# EAGLE board working (EAGLE 9.6.2), part 13 of 28 (continued)
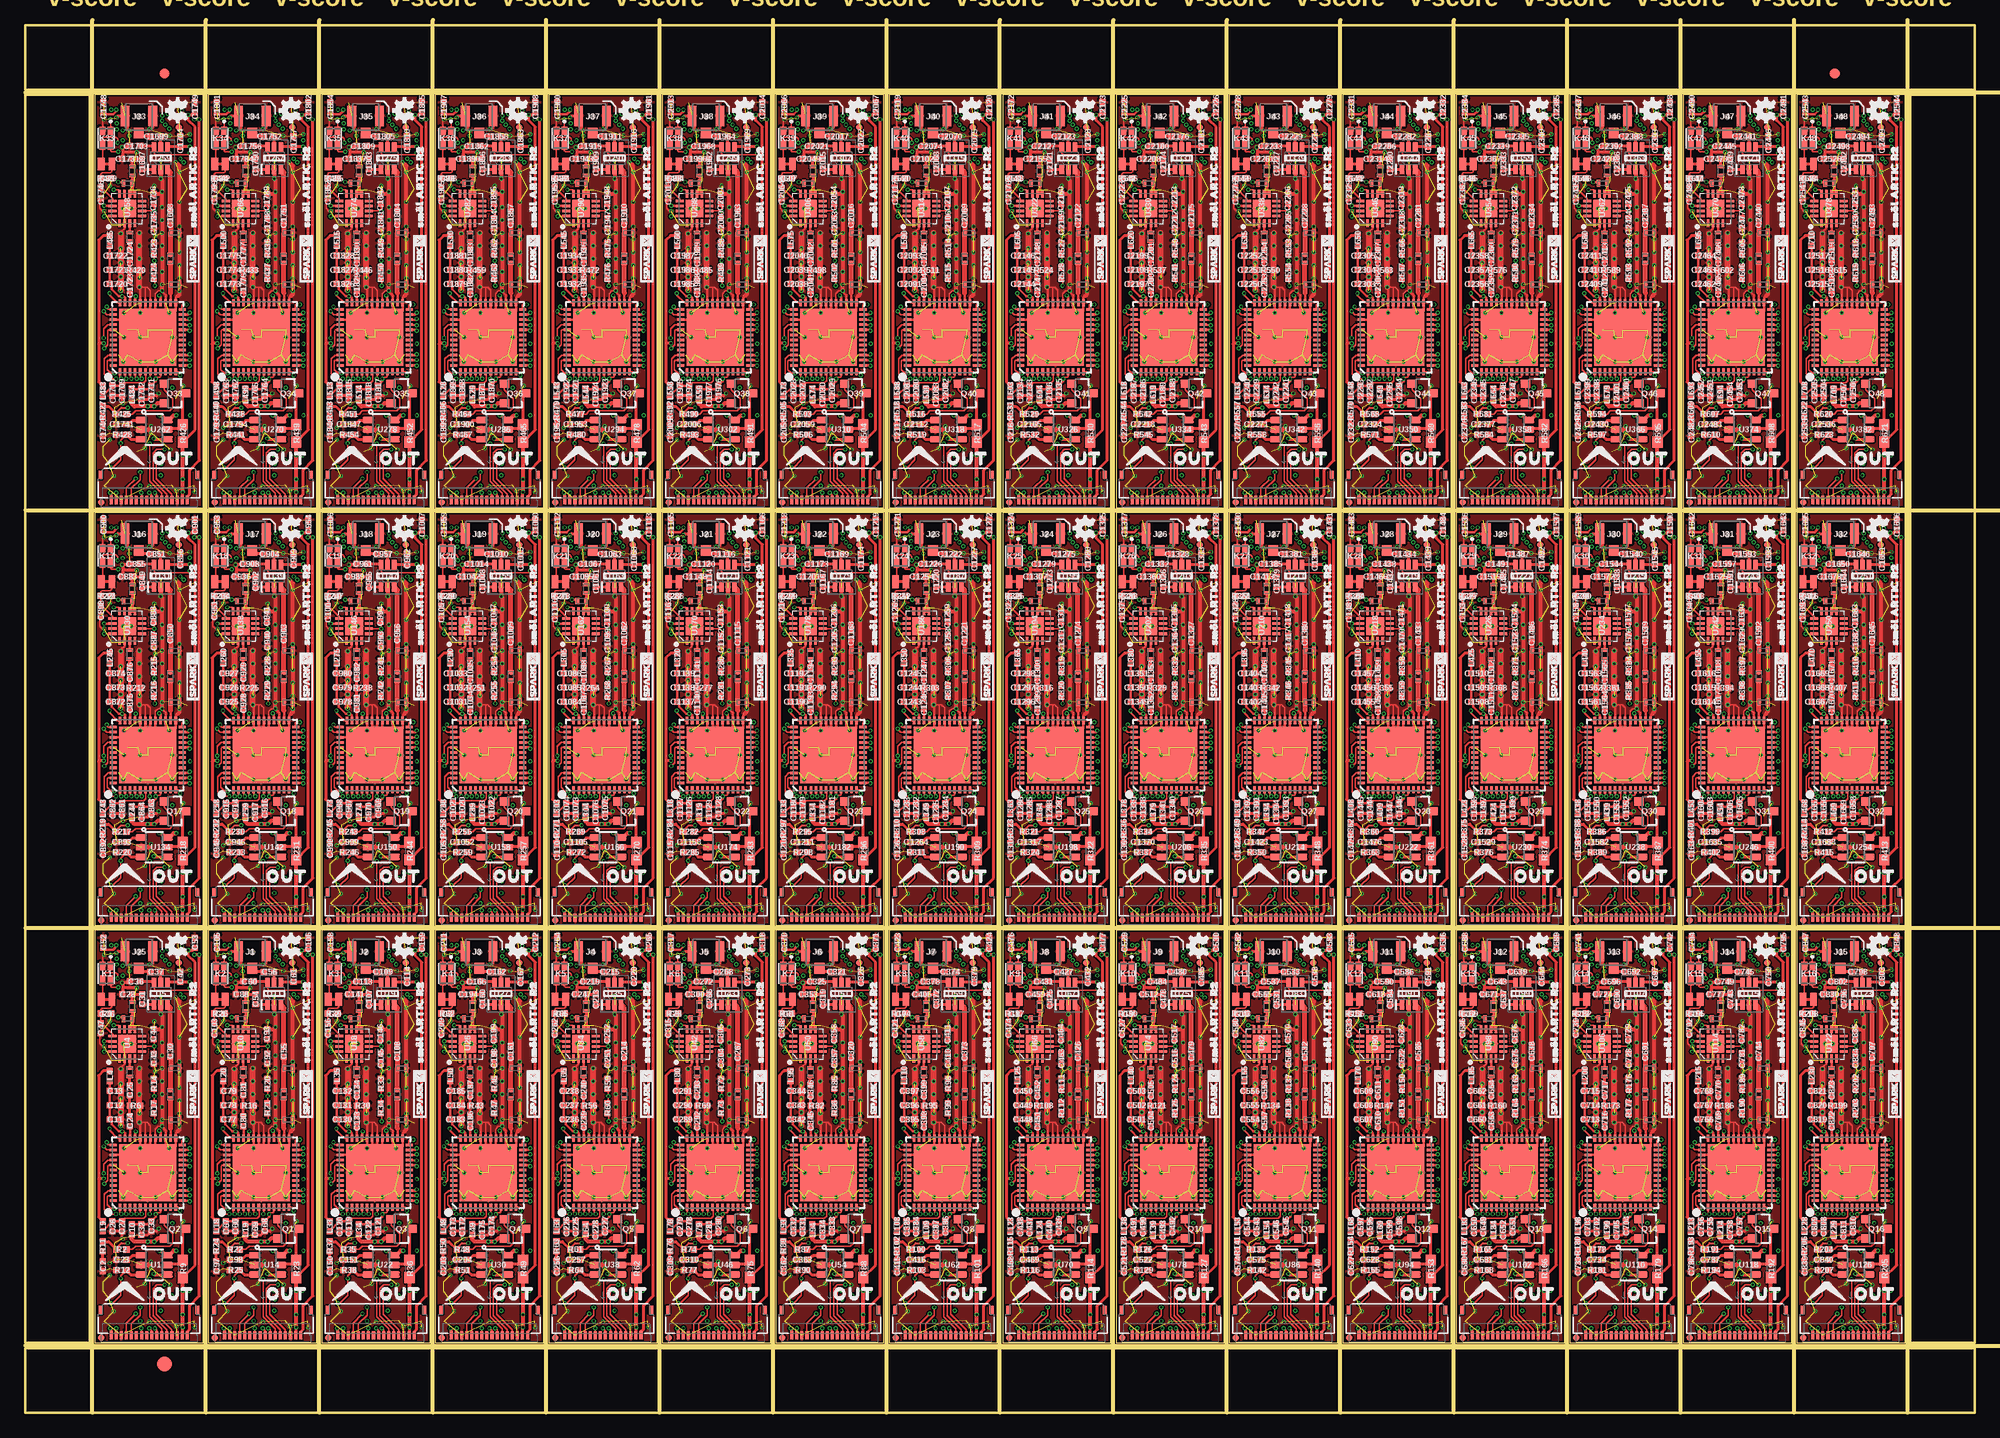
[diagram p0: board, top side]
## Tracks (layer width: path | path; a pad name or v marks a point on that pad's centre or on a via) (continued)
CS85  (via drill 0.2)
  Top 0.152: OUT28.7 147.05,49.29 v146.88,49.47
  Route15 0.152: v147.9,85.72 148.47,85.72 149.86,84.33 149.86,82.84 150.44,82.25 150.44,67.89 149.8,67.25 149.8,65.33 150.11,65.01 150.76,65.01 151,64.77 151,52.83 147.64,49.47 v146.88,49.47
  Bottom 0.152: IN28.8 146.55,86.58 147.41,85.72 147.74,85.72 v147.9,85.72
CS86  (via drill 0.2)
  Top 0.152: OUT28.8 146.55,49.22 v146.3,49.47
  Route15 0.152: v148.28,85.33 149.58,84.02 149.58,82.72 150.16,82.14 150.16,68.76 149.42,68.01 149.42,65.28 149.96,64.73 150.57,64.73 150.72,64.58 150.72,52.95 147.63,49.86 146.69,49.86 v146.3,49.47
  Bottom 0.152: IN28.9 146.05,86.68 147.41,85.33 v148.28,85.33
CS87  (via drill 0.2)
  Top 0.152: U233.2 155.1,60.83 v155.23,60.71
  Route15 0.127: 155.88,83.16 155.88,82.83 156.39,82.33 156.39,77.47 156,77.09 154.88,77.09 154.56,76.77 154.56,75.9 153.99,75.33 153.99,70.51 154.41,70.08 154.58,70.08 155.38,69.27 155.38,61.47 155.23,61.32 v155.23,60.71 | 155.88,83.16 156.39,83.66 156.39,85.81 158.19,87.62 159.83,87.62 160.16,87.28 160.16,86.96 159.31,86.11 v158.75,86.11 | v154.87,84.17 154.87,84.17 155.88,83.16
  Bottom 0.152: IN29.7 158.23,86.58 158.7,86.11 v158.75,86.11 | v154.87,84.17 154.82,84.17 154.66,84.34 153.55,84.34 CS29.1
CS88  (via drill 0.2)
  Top 0.152: OUT29.7 158.23,49.29 v158.05,49.47
  Route15 0.152: v159.07,85.72 159.65,85.72 161.04,84.33 161.04,82.84 161.62,82.25 161.62,67.89 160.97,67.25 160.97,65.33 161.28,65.01 161.94,65.01 162.18,64.77 162.18,52.83 158.81,49.47 v158.05,49.47
  Bottom 0.152: IN29.8 157.73,86.58 158.59,85.72 158.91,85.72 v159.07,85.72
CS89  (via drill 0.2)
  Top 0.152: OUT29.8 157.73,49.22 v157.48,49.47
  Route15 0.152: v159.45,85.33 160.76,84.02 160.76,82.72 161.34,82.14 161.34,68.76 160.59,68.01 160.59,65.28 161.14,64.73 161.75,64.73 161.9,64.58 161.9,52.95 158.81,49.86 157.87,49.86 v157.48,49.47
  Bottom 0.152: IN29.9 157.23,86.68 158.59,85.33 v159.45,85.33
CS90  (via drill 0.2)
  Top 0.152: U241.2 166.28,60.83 v166.41,60.71
  Route15 0.127: 167.06,83.16 167.06,82.83 167.56,82.33 167.56,77.47 167.18,77.09 166.05,77.09 165.74,76.77 165.74,75.9 165.16,75.33 165.16,70.51 165.59,70.08 165.75,70.08 166.56,69.27 166.56,61.47 166.41,61.32 v166.41,60.71 | 167.06,83.16 167.56,83.66 167.56,85.81 169.37,87.62 171,87.62 171.33,87.28 171.33,86.96 170.48,86.11 v169.93,86.11 | v166.05,84.17 166.05,84.17 167.06,83.16
  Bottom 0.152: IN30.7 169.41,86.58 169.88,86.11 v169.93,86.11 | v166.05,84.17 166,84.17 165.83,84.34 164.73,84.34 CS30.1
CS91  (via drill 0.2)
  Top 0.152: OUT30.7 169.41,49.29 v169.23,49.47
  Route15 0.152: v170.25,85.72 170.82,85.72 172.21,84.33 172.21,82.84 172.8,82.25 172.8,67.89 172.15,67.25 172.15,65.33 172.46,65.01 173.11,65.01 173.36,64.77 173.36,52.83 169.99,49.47 v169.23,49.47
  Bottom 0.152: IN30.8 168.91,86.58 169.76,85.72 170.09,85.72 v170.25,85.72
CS92  (via drill 0.2)
  Top 0.152: OUT30.8 168.91,49.22 v168.66,49.47
  Route15 0.152: v170.63,85.33 171.93,84.02 171.93,82.72 172.52,82.14 172.52,68.76 171.77,68.01 171.77,65.28 172.31,64.73 172.92,64.73 173.08,64.58 173.08,52.95 169.99,49.86 169.05,49.86 v168.66,49.47
  Bottom 0.152: IN30.9 168.41,86.68 169.76,85.33 v170.63,85.33
CS93  (via drill 0.2)
  Top 0.152: U249.2 177.46,60.83 v177.58,60.71
  Route15 0.127: 178.23,83.16 178.23,82.83 178.74,82.33 178.74,77.47 178.36,77.09 177.23,77.09 176.91,76.77 176.91,75.9 176.34,75.33 176.34,70.51 176.77,70.08 176.93,70.08 177.74,69.27 177.74,61.47 177.58,61.32 v177.58,60.71 | 178.23,83.16 178.74,83.66 178.74,85.81 180.54,87.62 182.18,87.62 182.51,87.28 182.51,86.96 181.66,86.11 v181.1,86.11 | v177.22,84.17 177.22,84.17 178.23,83.16
  Bottom 0.152: IN31.7 180.58,86.58 181.05,86.11 v181.1,86.11 | v177.22,84.17 177.17,84.17 177.01,84.34 175.91,84.34 CS31.1
CS94  (via drill 0.2)
  Top 0.152: OUT31.7 180.58,49.29 v180.4,49.47
  Route15 0.152: v181.43,85.72 182,85.72 183.39,84.33 183.39,82.84 183.97,82.25 183.97,67.89 183.32,67.25 183.32,65.33 183.64,65.01 184.29,65.01 184.53,64.77 184.53,52.83 181.17,49.47 v180.4,49.47
  Bottom 0.152: IN31.8 180.08,86.58 180.94,85.72 181.26,85.72 181.27,85.72 v181.43,85.72
CS95  (via drill 0.2)
  Top 0.152: OUT31.8 180.08,49.22 v179.83,49.47
  Route15 0.152: v181.8,85.33 183.11,84.02 183.11,82.72 183.69,82.14 183.69,68.76 182.94,68.01 182.94,65.28 183.49,64.73 184.1,64.73 184.25,64.58 184.25,52.95 181.16,49.86 180.22,49.86 v179.83,49.47
  Bottom 0.152: IN31.9 179.58,86.68 180.94,85.33 v181.8,85.33
CS96  (via drill 0.2)
  Top 0.152: U257.2 9.81,101.98 v9.94,101.85
  Route15 0.127: 10.59,124.31 10.59,123.98 11.1,123.48 11.1,118.62 10.72,118.24 9.59,118.24 9.27,117.92 9.27,117.05 8.7,116.48 8.7,111.65 9.12,111.23 9.29,111.23 10.09,110.42 10.09,102.61 9.94,102.46 v9.94,101.85 | 10.59,124.31 11.1,124.81 11.1,126.96 12.9,128.76 14.54,128.76 14.87,128.43 14.87,128.11 14.02,127.26 v13.46,127.26 | v9.58,125.32 v9.58,125.31 10.59,124.31
  Bottom 0.152: IN32.7 12.94,127.73 13.41,127.26 v13.46,127.26 | v9.58,125.32 9.53,125.32 9.37,125.49 8.27,125.49 CS32.1
CS97  (via drill 0.2)
  Top 0.152: OUT32.7 12.94,90.44 v12.76,90.62
  Route15 0.152: v13.79,126.87 14.36,126.87 15.75,125.48 15.75,123.98 16.33,123.4 16.33,109.04 15.68,108.4 15.68,106.47 16,106.16 16.65,106.16 16.89,105.92 16.89,93.98 13.53,90.62 v12.76,90.62
  Bottom 0.152: IN32.8 12.44,127.72 13.3,126.87 13.62,126.87 13.63,126.87 v13.79,126.87
CS98  (via drill 0.2)
  Top 0.152: OUT32.8 12.44,90.37 v12.19,90.62
  Route15 0.152: v14.16,126.47 15.47,125.17 15.47,123.87 16.05,123.29 16.05,109.9 15.3,109.16 15.3,106.43 15.85,105.88 16.46,105.88 16.61,105.73 16.61,94.1 13.52,91.01 12.58,91.01 v12.19,90.62
  Bottom 0.152: IN32.9 11.94,127.83 13.3,126.47 v14.16,126.47
CS99  (via drill 0.2)
  Top 0.152: U265.2 20.99,101.98 v21.12,101.85
  Route15 0.127: 21.77,124.31 21.77,123.98 22.27,123.48 22.27,118.62 21.89,118.24 20.76,118.24 20.45,117.92 20.45,117.05 19.88,116.48 19.88,111.65 20.3,111.23 20.46,111.23 21.27,110.42 21.27,102.61 21.12,102.46 v21.12,101.85 | 21.77,124.31 22.27,124.81 22.27,126.96 24.08,128.76 25.71,128.76 26.05,128.43 26.05,128.11 25.2,127.26 v24.64,127.26 | v20.76,125.32 v20.76,125.31 21.77,124.31
  Bottom 0.152: IN33.7 24.12,127.73 24.59,127.26 v24.64,127.26 | v20.76,125.32 20.71,125.32 20.55,125.49 19.44,125.49 CS33.1
CS100  (via drill 0.2)
  Top 0.152: OUT33.7 24.12,90.44 v23.94,90.62
  Route15 0.152: v24.96,126.87 25.53,126.87 26.92,125.48 26.92,123.98 27.51,123.4 27.51,109.04 26.86,108.4 26.86,106.47 27.17,106.16 27.82,106.16 28.07,105.92 28.07,93.98 24.7,90.62 v23.94,90.62
  Bottom 0.152: IN33.8 23.62,127.72 24.48,126.87 24.8,126.87 v24.96,126.87
CS101  (via drill 0.2)
  Top 0.152: OUT33.8 23.62,90.37 v23.37,90.62
  Route15 0.152: v25.34,126.47 26.64,125.17 26.64,123.87 27.23,123.29 27.23,109.9 26.48,109.16 26.48,106.43 27.02,105.88 27.63,105.88 27.79,105.73 27.79,94.1 24.7,91.01 23.76,91.01 v23.37,90.62
  Bottom 0.152: IN33.9 23.12,127.83 24.47,126.47 v25.34,126.47
CS102  (via drill 0.2)
  Top 0.152: U273.2 32.17,101.98 v32.3,101.85
  Route15 0.127: 32.95,124.31 32.95,123.98 33.45,123.48 33.45,118.62 33.07,118.24 31.94,118.24 31.62,117.92 31.62,117.05 31.05,116.48 31.05,111.65 31.48,111.23 31.64,111.23 32.45,110.42 32.45,102.61 32.3,102.46 v32.3,101.85 | 32.95,124.31 33.45,124.81 33.45,126.96 35.25,128.76 36.89,128.76 37.22,128.43 37.22,128.11 36.37,127.26 v35.81,127.26 | v31.94,125.32 v31.94,125.31 32.95,124.31
  Bottom 0.152: IN34.7 35.29,127.73 35.76,127.26 v35.81,127.26 | v31.94,125.32 31.89,125.32 31.72,125.49 30.62,125.49 CS34.1
CS103  (via drill 0.2)
  Top 0.152: OUT34.7 35.29,90.44 v35.12,90.62
  Route15 0.152: v36.14,126.87 36.71,126.87 38.1,125.48 38.1,123.98 38.68,123.4 38.68,109.04 38.04,108.4 38.04,106.47 38.35,106.16 39,106.16 39.24,105.92 39.24,93.98 35.88,90.62 v35.12,90.62
  Bottom 0.152: IN34.8 34.79,127.72 35.65,126.87 35.98,126.87 v36.14,126.87
CS104  (via drill 0.2)
  Top 0.152: OUT34.8 34.79,90.37 v34.54,90.62
  Route15 0.152: v36.52,126.47 37.82,125.17 37.82,123.87 38.4,123.29 38.4,109.9 37.66,109.16 37.66,106.43 38.2,105.88 38.81,105.88 38.96,105.73 38.96,94.1 35.87,91.01 34.94,91.01 v34.54,90.62
  Bottom 0.152: IN34.9 34.29,127.83 35.65,126.47 v36.52,126.47
CS105  (via drill 0.2)
  Top 0.152: U281.2 43.34,101.98 v43.47,101.85
  Route15 0.127: 44.12,124.31 44.12,123.98 44.63,123.48 44.63,118.62 44.24,118.24 43.12,118.24 42.8,117.92 42.8,117.05 42.23,116.48 42.23,111.65 42.65,111.23 42.82,111.23 43.62,110.42 43.62,102.61 43.47,102.46 v43.47,101.85 | 44.12,124.31 44.63,124.81 44.63,126.96 46.43,128.76 48.06,128.76 48.4,128.43 48.4,128.11 47.55,127.26 v46.99,127.26 | v43.11,125.32 v43.11,125.31 44.12,124.31
  Bottom 0.152: IN35.7 46.47,127.73 46.94,127.26 v46.99,127.26 | v43.11,125.32 43.06,125.32 42.9,125.49 41.79,125.49 CS35.1
CS106  (via drill 0.2)
  Top 0.152: OUT35.7 46.47,90.44 v46.29,90.62
  Route15 0.152: v47.31,126.87 47.88,126.87 49.28,125.48 49.28,123.98 49.86,123.4 49.86,109.04 49.21,108.4 49.21,106.47 49.52,106.16 50.18,106.16 50.42,105.92 50.42,93.98 47.05,90.62 v46.29,90.62
  Bottom 0.152: IN35.8 45.97,127.72 46.83,126.87 47.15,126.87 v47.31,126.87
CS107  (via drill 0.2)
  Top 0.152: OUT35.8 45.97,90.37 v45.72,90.62
  Route15 0.152: v47.69,126.47 49,125.17 49,123.87 49.58,123.29 49.58,109.9 48.83,109.16 48.83,106.43 49.38,105.88 49.99,105.88 50.14,105.73 50.14,94.1 47.05,91.01 46.11,91.01 v45.72,90.62
  Bottom 0.152: IN35.9 45.47,127.83 46.82,126.47 v47.69,126.47
CS108  (via drill 0.2)
  Top 0.152: U289.2 54.52,101.98 v54.65,101.85
  Route15 0.127: 55.3,124.31 55.3,123.98 55.8,123.48 55.8,118.62 55.42,118.24 54.29,118.24 53.97,117.92 53.97,117.05 53.4,116.48 53.4,111.65 53.83,111.23 53.99,111.23 54.8,110.42 54.8,102.61 54.65,102.46 v54.65,101.85 | 55.3,124.31 55.8,124.81 55.8,126.96 57.61,128.76 59.24,128.76 59.57,128.43 59.57,128.11 58.72,127.26 v58.17,127.26 | v54.29,125.32 v54.29,125.31 55.3,124.31
  Bottom 0.152: IN36.7 57.65,127.73 58.12,127.26 v58.17,127.26 | v54.29,125.32 54.24,125.32 54.07,125.49 52.97,125.49 CS36.1
CS109  (via drill 0.2)
  Top 0.152: OUT36.7 57.65,90.44 v57.47,90.62
  Route15 0.152: v58.49,126.87 59.06,126.87 60.45,125.48 60.45,123.98 61.03,123.4 61.03,109.04 60.39,108.4 60.39,106.47 60.7,106.16 61.35,106.16 61.59,105.92 61.59,93.98 58.23,90.62 v57.47,90.62
  Bottom 0.152: IN36.8 57.15,127.72 58,126.87 58.33,126.87 v58.49,126.87
CS110  (via drill 0.2)
  Top 0.152: OUT36.8 57.15,90.37 v56.9,90.62
  Route15 0.152: v58.87,126.47 60.17,125.17 60.17,123.87 60.75,123.29 60.75,109.9 60.01,109.16 60.01,106.43 60.55,105.88 61.16,105.88 61.32,105.73 61.32,94.1 58.23,91.01 57.29,91.01 v56.9,90.62
  Bottom 0.152: IN36.9 56.65,127.83 58,126.47 v58.87,126.47
CS111  (via drill 0.2)
  Top 0.152: U297.2 65.7,101.98 v65.82,101.85
  Route15 0.127: 66.47,124.31 66.47,123.98 66.98,123.48 66.98,118.62 66.6,118.24 65.47,118.24 65.15,117.92 65.15,117.05 64.58,116.48 64.58,111.65 65,111.23 65.17,111.23 65.97,110.42 65.97,102.61 65.82,102.46 v65.82,101.85 | 66.47,124.31 66.98,124.81 66.98,126.96 68.78,128.76 70.42,128.76 70.75,128.43 70.75,128.11 69.9,127.26 v69.34,127.26 | v65.47,125.32 v65.47,125.31 66.47,124.31
  Bottom 0.152: IN37.7 68.82,127.73 69.29,127.26 v69.34,127.26 | v65.47,125.32 65.41,125.32 65.25,125.49 64.15,125.49 CS37.1
CS112  (via drill 0.2)
  Top 0.152: OUT37.7 68.82,90.44 v68.64,90.62
  Route15 0.152: v69.67,126.87 70.24,126.87 71.63,125.48 71.63,123.98 72.21,123.4 72.21,109.04 71.56,108.4 71.56,106.47 71.88,106.16 72.53,106.16 72.77,105.92 72.77,93.98 69.41,90.62 v68.64,90.62
  Bottom 0.152: IN37.8 68.32,127.72 69.18,126.87 69.5,126.87 69.51,126.87 v69.67,126.87
CS113  (via drill 0.2)
  Top 0.152: OUT37.8 68.32,90.37 v68.07,90.62
  Route15 0.152: v70.04,126.47 71.35,125.17 71.35,123.87 71.93,123.29 71.93,109.9 71.18,109.16 71.18,106.43 71.73,105.88 72.34,105.88 72.49,105.73 72.49,94.1 69.4,91.01 68.46,91.01 v68.07,90.62
  Bottom 0.152: IN37.9 67.82,127.83 69.18,126.47 v70.04,126.47
CS114  (via drill 0.2)
  Top 0.152: U305.2 76.87,101.98 v77,101.85
  Route15 0.127: 77.65,124.31 77.65,123.98 78.15,123.48 78.15,118.62 77.77,118.24 76.65,118.24 76.33,117.92 76.33,117.05 75.76,116.48 75.76,111.65 76.18,111.23 76.34,111.23 77.15,110.42 77.15,102.61 77,102.46 v77,101.85 | 77.65,124.31 78.15,124.81 78.15,126.96 79.96,128.76 81.59,128.76 81.93,128.43 81.93,128.11 81.08,127.26 v80.52,127.26 | v76.64,125.32 v76.64,125.31 77.65,124.31
  Bottom 0.152: IN38.7 80,127.73 80.47,127.26 v80.52,127.26 | v76.64,125.32 76.59,125.32 76.43,125.49 75.32,125.49 CS38.1
CS115  (via drill 0.2)
  Top 0.152: OUT38.7 80,90.44 v79.82,90.62
  Route15 0.152: v80.84,126.87 81.41,126.87 82.8,125.48 82.8,123.98 83.39,123.4 83.39,109.04 82.74,108.4 82.74,106.47 83.05,106.16 83.7,106.16 83.95,105.92 83.95,93.98 80.58,90.62 v79.82,90.62
  Bottom 0.152: IN38.8 79.5,127.72 80.36,126.87 80.68,126.87 v80.84,126.87
CS116  (via drill 0.2)
  Top 0.152: OUT38.8 79.5,90.37 v79.25,90.62
  Route15 0.152: v81.22,126.47 82.53,125.17 82.53,123.87 83.11,123.29 83.11,109.9 82.36,109.16 82.36,106.43 82.9,105.88 83.51,105.88 83.67,105.73 83.67,94.1 80.58,91.01 79.64,91.01 v79.25,90.62
  Bottom 0.152: IN38.9 79,127.83 80.35,126.47 v81.22,126.47
CS117  (via drill 0.2)
  Top 0.152: U313.2 88.05,101.98 v88.18,101.85
  Route15 0.127: 88.83,124.31 88.83,123.98 89.33,123.48 89.33,118.62 88.95,118.24 87.82,118.24 87.5,117.92 87.5,117.05 86.93,116.48 86.93,111.65 87.36,111.23 87.52,111.23 88.33,110.42 88.33,102.61 88.18,102.46 v88.18,101.85 | 88.83,124.31 89.33,124.81 89.33,126.96 91.13,128.76 92.77,128.76 93.1,128.43 93.1,128.11 92.25,127.26 v91.69,127.26 | v87.82,125.32 v87.82,125.31 88.83,124.31
  Bottom 0.152: IN39.7 91.17,127.73 91.64,127.26 v91.69,127.26 | v87.82,125.32 87.77,125.32 87.6,125.49 86.5,125.49 CS39.1
CS118  (via drill 0.2)
  Top 0.152: OUT39.7 91.17,90.44 v91,90.62
  Route15 0.152: v92.02,126.87 92.59,126.87 93.98,125.48 93.98,123.98 94.56,123.4 94.56,109.04 93.92,108.4 93.92,106.47 94.23,106.16 94.88,106.16 95.12,105.92 95.12,93.98 91.76,90.62 v91,90.62
  Bottom 0.152: IN39.8 90.67,127.72 91.53,126.87 91.86,126.87 v92.02,126.87
CS119  (via drill 0.2)
  Top 0.152: OUT39.8 90.67,90.37 v90.42,90.62
  Route15 0.152: v92.4,126.47 93.7,125.17 93.7,123.87 94.28,123.29 94.28,109.9 93.54,109.16 93.54,106.43 94.08,105.88 94.69,105.88 94.84,105.73 94.84,94.1 91.75,91.01 90.81,91.01 v90.42,90.62
  Bottom 0.152: IN39.9 90.17,127.83 91.53,126.47 v92.4,126.47
CS120  (via drill 0.2)
  Top 0.152: U321.2 99.22,101.98 v99.35,101.85
  Route15 0.127: 100,124.31 100,123.98 100.51,123.48 100.51,118.62 100.12,118.24 99,118.24 98.68,117.92 98.68,117.05 98.11,116.48 98.11,111.65 98.53,111.23 98.7,111.23 99.5,110.42 99.5,102.61 99.35,102.46 v99.35,101.85 | 100,124.31 100.51,124.81 100.51,126.96 102.31,128.76 103.95,128.76 104.28,128.43 104.28,128.11 103.43,127.26 v102.87,127.26 | v98.99,125.32 v98.99,125.31 100,124.31
  Bottom 0.152: IN40.7 102.35,127.73 102.82,127.26 v102.87,127.26 | v98.99,125.32 98.94,125.32 98.78,125.49 97.67,125.49 CS40.1
CS121  (via drill 0.2)
  Top 0.152: OUT40.7 102.35,90.44 v102.17,90.62
  Route15 0.152: v103.19,126.87 103.77,126.87 105.16,125.48 105.16,123.98 105.74,123.4 105.74,109.04 105.09,108.4 105.09,106.47 105.4,106.16 106.06,106.16 106.3,105.92 106.3,93.98 102.93,90.62 v102.17,90.62
  Bottom 0.152: IN40.8 101.85,127.72 102.71,126.87 103.03,126.87 v103.19,126.87
CS122  (via drill 0.2)
  Top 0.152: OUT40.8 101.85,90.37 v101.6,90.62
  Route15 0.152: v103.57,126.47 104.88,125.17 104.88,123.87 105.46,123.29 105.46,109.9 104.71,109.16 104.71,106.43 105.26,105.88 105.87,105.88 106.02,105.73 106.02,94.1 102.93,91.01 101.99,91.01 v101.6,90.62
  Bottom 0.152: IN40.9 101.35,127.83 102.7,126.47 v103.57,126.47
CS123  (via drill 0.2)
  Top 0.152: U329.2 110.4,101.98 v110.53,101.85
  Route15 0.127: 111.18,124.31 111.18,123.98 111.68,123.48 111.68,118.62 111.3,118.24 110.17,118.24 109.86,117.92 109.86,117.05 109.28,116.48 109.28,111.65 109.71,111.23 109.87,111.23 110.68,110.42 110.68,102.61 110.53,102.46 v110.53,101.85 | 111.18,124.31 111.68,124.81 111.68,126.96 113.49,128.76 115.12,128.76 115.45,128.43 115.45,128.11 114.6,127.26 v114.05,127.26 | v110.17,125.32 v110.17,125.31 111.18,124.31
  Bottom 0.152: IN41.7 113.53,127.73 114,127.26 v114.05,127.26 | v110.17,125.32 110.12,125.32 109.95,125.49 108.85,125.49 CS41.1
CS124  (via drill 0.2)
  Top 0.152: OUT41.7 113.53,90.44 v113.35,90.62
  Route15 0.152: v114.37,126.87 114.94,126.87 116.33,125.48 116.33,123.98 116.92,123.4 116.92,109.04 116.27,108.4 116.27,106.47 116.58,106.16 117.23,106.16 117.48,105.92 117.48,93.98 114.11,90.62 v113.35,90.62
  Bottom 0.152: IN41.8 113.03,127.72 113.88,126.87 114.21,126.87 v114.37,126.87
CS125  (via drill 0.2)
  Top 0.152: OUT41.8 113.03,90.37 v112.78,90.62
  Route15 0.152: v114.75,126.47 116.05,125.17 116.05,123.87 116.64,123.29 116.64,109.9 115.89,109.16 115.89,106.43 116.43,105.88 117.04,105.88 117.2,105.73 117.2,94.1 114.11,91.01 113.17,91.01 v112.78,90.62
  Bottom 0.152: IN41.9 112.53,127.83 113.88,126.47 v114.75,126.47
CS126  (via drill 0.2)
  Top 0.152: U337.2 121.58,101.98 v121.7,101.85
  Route15 0.127: 122.35,124.31 122.35,123.98 122.86,123.48 122.86,118.62 122.48,118.24 121.35,118.24 121.03,117.92 121.03,117.05 120.46,116.48 120.46,111.65 120.89,111.23 121.05,111.23 121.86,110.42 121.86,102.61 121.7,102.46 v121.7,101.85 | 122.35,124.31 122.86,124.81 122.86,126.96 124.66,128.76 126.3,128.76 126.63,128.43 126.63,128.11 125.78,127.26 v125.22,127.26 | v121.34,125.32 v121.34,125.31 122.35,124.31
  Bottom 0.152: IN42.7 124.7,127.73 125.17,127.26 v125.22,127.26 | v121.34,125.32 121.29,125.32 121.13,125.49 120.03,125.49 CS42.1
CS127  (via drill 0.2)
  Top 0.152: OUT42.7 124.7,90.44 v124.52,90.62
  Route15 0.152: v125.55,126.87 126.12,126.87 127.51,125.48 127.51,123.98 128.09,123.4 128.09,109.04 127.45,108.4 127.45,106.47 127.76,106.16 128.41,106.16 128.65,105.92 128.65,93.98 125.29,90.62 v124.52,90.62
  Bottom 0.152: IN42.8 124.2,127.72 125.06,126.87 125.38,126.87 125.39,126.87 v125.55,126.87
CS128  (via drill 0.2)
  Top 0.152: OUT42.8 124.2,90.37 v123.95,90.62
  Route15 0.152: v125.92,126.47 127.23,125.17 127.23,123.87 127.81,123.29 127.81,109.9 127.06,109.16 127.06,106.43 127.61,105.88 128.22,105.88 128.37,105.73 128.37,94.1 125.28,91.01 124.34,91.01 v123.95,90.62
  Bottom 0.152: IN42.9 123.7,127.83 125.06,126.47 v125.92,126.47
CS129  (via drill 0.2)
  Top 0.152: U345.2 132.75,101.98 v132.88,101.85
  Route15 0.127: 133.53,124.31 133.53,123.98 134.03,123.48 134.03,118.62 133.65,118.24 132.52,118.24 132.21,117.92 132.21,117.05 131.64,116.48 131.64,111.65 132.06,111.23 132.22,111.23 133.03,110.42 133.03,102.61 132.88,102.46 v132.88,101.85 | 133.53,124.31 134.03,124.81 134.03,126.96 135.84,128.76 137.47,128.76 137.81,128.43 137.81,128.11 136.96,127.26 v136.4,127.26 | v132.52,125.32 v132.52,125.31 133.53,124.31
  Bottom 0.152: IN43.7 135.88,127.73 136.35,127.26 v136.4,127.26 | v132.52,125.32 132.47,125.32 132.31,125.49 131.2,125.49 CS43.1
CS130  (via drill 0.2)
  Top 0.152: OUT43.7 135.88,90.44 v135.7,90.62
  Route15 0.152: v136.72,126.87 137.29,126.87 138.68,125.48 138.68,123.98 139.27,123.4 139.27,109.04 138.62,108.4 138.62,106.47 138.93,106.16 139.58,106.16 139.83,105.92 139.83,93.98 136.46,90.62 v135.7,90.62
  Bottom 0.152: IN43.8 135.38,127.72 136.24,126.87 136.56,126.87 v136.72,126.87
CS131  (via drill 0.2)
  Top 0.152: OUT43.8 135.38,90.37 v135.13,90.62
  Route15 0.152: v137.1,126.47 138.41,125.17 138.41,123.87 138.99,123.29 138.99,109.9 138.24,109.16 138.24,106.43 138.78,105.88 139.39,105.88 139.55,105.73 139.55,94.1 136.46,91.01 135.52,91.01 v135.13,90.62
  Bottom 0.152: IN43.9 134.88,127.83 136.23,126.47 v137.1,126.47
CS132  (via drill 0.2)
  Top 0.152: U353.2 143.93,101.98 v144.06,101.85
  Route15 0.127: 144.71,124.31 144.71,123.98 145.21,123.48 145.21,118.62 144.83,118.24 143.7,118.24 143.38,117.92 143.38,117.05 142.81,116.48 142.81,111.65 143.24,111.23 143.4,111.23 144.21,110.42 144.21,102.61 144.06,102.46 v144.06,101.85 | 144.71,124.31 145.21,124.81 145.21,126.96 147.01,128.76 148.65,128.76 148.98,128.43 148.98,128.11 148.13,127.26 v147.57,127.26 | v143.7,125.32 v143.7,125.31 144.71,124.31
  Bottom 0.152: IN44.7 147.05,127.73 147.52,127.26 v147.57,127.26 | v143.7,125.32 143.65,125.32 143.48,125.49 142.38,125.49 CS44.1
CS133  (via drill 0.2)
  Top 0.152: OUT44.7 147.05,90.44 v146.88,90.62
  Route15 0.152: v147.9,126.87 148.47,126.87 149.86,125.48 149.86,123.98 150.44,123.4 150.44,109.04 149.8,108.4 149.8,106.47 150.11,106.16 150.76,106.16 151,105.92 151,93.98 147.64,90.62 v146.88,90.62
  Bottom 0.152: IN44.8 146.55,127.72 147.41,126.87 147.74,126.87 v147.9,126.87
CS134  (via drill 0.2)
  Top 0.152: OUT44.8 146.55,90.37 v146.3,90.62
  Route15 0.152: v148.28,126.47 149.58,125.17 149.58,123.87 150.16,123.29 150.16,109.9 149.42,109.16 149.42,106.43 149.96,105.88 150.57,105.88 150.72,105.73 150.72,94.1 147.63,91.01 146.69,91.01 v146.3,90.62
  Bottom 0.152: IN44.9 146.05,127.83 147.41,126.47 v148.28,126.47
CS135  (via drill 0.2)
  Top 0.152: U361.2 155.1,101.98 v155.23,101.85
  Route15 0.127: 155.88,124.31 155.88,123.98 156.39,123.48 156.39,118.62 156,118.24 154.88,118.24 154.56,117.92 154.56,117.05 153.99,116.48 153.99,111.65 154.41,111.23 154.58,111.23 155.38,110.42 155.38,102.61 155.23,102.46 v155.23,101.85 | 155.88,124.31 156.39,124.81 156.39,126.96 158.19,128.76 159.83,128.76 160.16,128.43 160.16,128.11 159.31,127.26 v158.75,127.26 | v154.87,125.32 v154.87,125.31 155.88,124.31
  Bottom 0.152: IN45.7 158.23,127.73 158.7,127.26 v158.75,127.26 | v154.87,125.32 154.82,125.32 154.66,125.49 153.55,125.49 CS45.1
CS136  (via drill 0.2)
  Top 0.152: OUT45.7 158.23,90.44 v158.05,90.62
  Route15 0.152: v159.07,126.87 159.65,126.87 161.04,125.48 161.04,123.98 161.62,123.4 161.62,109.04 160.97,108.4 160.97,106.47 161.28,106.16 161.94,106.16 162.18,105.92 162.18,93.98 158.81,90.62 v158.05,90.62
  Bottom 0.152: IN45.8 157.73,127.72 158.59,126.87 158.91,126.87 v159.07,126.87
CS137  (via drill 0.2)
  Top 0.152: OUT45.8 157.73,90.37 v157.48,90.62
  Route15 0.152: v159.45,126.47 160.76,125.17 160.76,123.87 161.34,123.29 161.34,109.9 160.59,109.16 160.59,106.43 161.14,105.88 161.75,105.88 161.9,105.73 161.9,94.1 158.81,91.01 157.87,91.01 v157.48,90.62
  Bottom 0.152: IN45.9 157.23,127.83 158.59,126.47 v159.45,126.47
CS138  (via drill 0.2)
  Top 0.152: U369.2 166.28,101.98 v166.41,101.85
  Route15 0.127: 167.06,124.31 167.06,123.98 167.56,123.48 167.56,118.62 167.18,118.24 166.05,118.24 165.74,117.92 165.74,117.05 165.16,116.48 165.16,111.65 165.59,111.23 165.75,111.23 166.56,110.42 166.56,102.61 166.41,102.46 v166.41,101.85 | 167.06,124.31 167.56,124.81 167.56,126.96 169.37,128.76 171,128.76 171.33,128.43 171.33,128.11 170.48,127.26 v169.93,127.26 | v166.05,125.32 v166.05,125.31 167.06,124.31
  Bottom 0.152: IN46.7 169.41,127.73 169.88,127.26 v169.93,127.26 | v166.05,125.32 166,125.32 165.83,125.49 164.73,125.49 CS46.1
CS139  (via drill 0.2)
  Top 0.152: OUT46.7 169.41,90.44 v169.23,90.62
  Route15 0.152: v170.25,126.87 170.82,126.87 172.21,125.48 172.21,123.98 172.8,123.4 172.8,109.04 172.15,108.4 172.15,106.47 172.46,106.16 173.11,106.16 173.36,105.92 173.36,93.98 169.99,90.62 v169.23,90.62
  Bottom 0.152: IN46.8 168.91,127.72 169.76,126.87 170.09,126.87 v170.25,126.87
CS140  (via drill 0.2)
  Top 0.152: OUT46.8 168.91,90.37 v168.66,90.62
  Route15 0.152: v170.63,126.47 171.93,125.17 171.93,123.87 172.52,123.29 172.52,109.9 171.77,109.16 171.77,106.43 172.31,105.88 172.92,105.88 173.08,105.73 173.08,94.1 169.99,91.01 169.05,91.01 v168.66,90.62
  Bottom 0.152: IN46.9 168.41,127.83 169.76,126.47 v170.63,126.47
CS141  (via drill 0.2)
  Top 0.152: U377.2 177.46,101.98 v177.58,101.85
  Route15 0.127: 178.23,124.31 178.23,123.98 178.74,123.48 178.74,118.62 178.36,118.24 177.23,118.24 176.91,117.92 176.91,117.05 176.34,116.48 176.34,111.65 176.77,111.23 176.93,111.23 177.74,110.42 177.74,102.61 177.58,102.46 v177.58,101.85 | 178.23,124.31 178.74,124.81 178.74,126.96 180.54,128.76 182.18,128.76 182.51,128.43 182.51,128.11 181.66,127.26 v181.1,127.26 | v177.22,125.32 v177.22,125.31 178.23,124.31
  Bottom 0.152: IN47.7 180.58,127.73 181.05,127.26 v181.1,127.26 | v177.22,125.32 177.17,125.32 177.01,125.49 175.91,125.49 CS47.1
CS142  (via drill 0.2)
  Top 0.152: OUT47.7 180.58,90.44 v180.4,90.62
  Route15 0.152: v181.43,126.87 182,126.87 183.39,125.48 183.39,123.98 183.97,123.4 183.97,109.04 183.32,108.4 183.32,106.47 183.64,106.16 184.29,106.16 184.53,105.92 184.53,93.98 181.17,90.62 v180.4,90.62
  Bottom 0.152: IN47.8 180.08,127.72 180.94,126.87 181.26,126.87 181.27,126.87 v181.43,126.87
CS143  (via drill 0.2)
  Top 0.152: OUT47.8 180.08,90.37 v179.83,90.62
  Route15 0.152: v181.8,126.47 183.11,125.17 183.11,123.87 183.69,123.29 183.69,109.9 182.94,109.16 182.94,106.43 183.49,105.88 184.1,105.88 184.25,105.73 184.25,94.1 181.16,91.01 180.22,91.01 v179.83,90.62
  Bottom 0.152: IN47.9 179.58,127.83 180.94,126.47 v181.8,126.47